# KiCad board 8851_HW-U1-VCU118_REV2-0_071417.kicad_pcb (continued)
## Routing (per net, layer and track width the routed paths; a pad name or vN(x,y) marks a point on that pad's centre or on a via; arc(x,y) is an arc through that point) (continued)
  03_SIG1 w0.15: v3(177.01,75.07) 177.06,75.02 177.06,69.19 175.15,67.27 173.48,67.27 172.85,67.9 171.7,67.9 170.43,69.16 170.43,71.24 v3(170.47,71.28)
  12_PWR3 w0.15: v3(136.38,30.43) 135.61,31.19 129.37,31.19 126.68,28.5 118.74,28.5 117.76,29.48 115.75,29.48 114.5,28.23 108.73,28.23 106.93,30.03 83.2,30.03 81.8,31.42 81.8,43.43 81.72,43.51 81.72,44.48 83.89,46.65 90.2,46.65 91.27,47.72 92.72,47.72 92.87,47.58 97.94,47.58 98.19,47.83 98.19,48.28 98.48,48.57 98.92,48.57 99.12,48.78 99.12,49.33 99.35,49.55 101.8,49.55 102.12,49.88 102.12,50.3 102.38,50.55 102.85,50.55 103.1,50.8 103.1,58.07 103.41,58.38 103.89,58.38 104.1,58.59 104.1,59.14 104.32,59.36 104.85,59.36 105.07,59.58 105.07,64.55 105.34,64.83
  12_PWR3 w0.375: 169.71,72.76 J108.1 ; J108.1 171.55,73.55 ; J108.1 170.5,72.5 ; J108.1 170.5,74.6 ; J108.1 169.71,74.34 ; J108.1 171.29,74.34 ; J108.1 169.45,73.55 ; J108.1 171.29,72.76
  18_SIG6 w0.375: v3(82.92,43.56) 81.71,42.34 81.43,42.34 v1(80.67,41.58)
  BOTTOM w0.188: v2(134.09,83.51) 134.36,83.51 134.85,84 135.4,84 135.57,84.17 135.57,84.74 135.81,84.98 141.78,84.98 144.6,82.16 v3(148.25,82.16)
  BOTTOM w0.375: v3(104.51,32.94) 104.56,32.94 104.96,32.54 104.96,31.44 105.48,30.93 106.06,31.51 v3(106.06,32.24) ; v3(124.83,100.15) 124.7,100.15 124.69,100.16 123.76,100.16 123.42,100.5 123.42,101.51 124.1,102.19 124.14,102.19 124.89,101.44 v3(124.89,100.86) ; v3(170.75,76.55) 170.75,78.16 C1749.1 172,77.94 v3(172,76.55) ; R175.2 149.99,81.54 149.65,81.2 143.27,81.2 140.96,83.51 v2(139.01,83.51) ; v3(165.62,83.05) 166.61,83.05 167,83.44 166.39,84.05 v3(165.62,84.05) ; v3(124.85,29.35) 124.81,29.31 124.81,29.18 125.77,28.22 C1752.1 ; v3(133.43,32.3) 133.88,31.85 133.88,31.54 ; 141.38,31.67 v3(141.38,32.3) ; 166,113.57 v3(164.64,113.57) ; 95.33,99.42 95.33,99.98 v3(95.47,100.12) ; 92.83,98.43 92.83,97.77 v3(92.92,97.67) ; 120.75,98.43 v3(120.75,97.68) ; v3(84,83.55) 93.69,83.55 v2(93.74,83.51) ; v3(119.22,97.68) 119.22,98.43 ; 140.12,31.67 v3(140.12,32.3) ; 166,107.82 v3(164.64,107.82)
  vias: v3(169.5,76.55) v3(169.5,75.3) v3(170.75,75.3) v3(172,75.3) v3(173.25,76.55) v3(173.25,75.3) v3(174.5,76.55) v3(174.5,75.3) v3(175.75,76.55) v3(175.75,75.3)
MGTAVTT_FPGA_SNS_N: length 42.5
  TOP w0.102: 138.37,31.68 138.87,31.18 139.06,31.18 139.18,31.29 139.18,33.61 144.51,38.95 147.14,38.95 147.72,38.38 151.43,38.38 154.48,41.42 163.75,41.42 164.01,41.69 167.69,41.69 168.31,42.3 170.37,42.3 170.64,42.57 170.64,42.81 v3(170.35,43.1) 170.65,43.39 170.65,43.72 171.26,44.33 171.7,44.33 171.83,44.46 172.39,44.46
MGTAVTT_FPGA_SNS_P: length 72.3
  TOP w0.102: 172.39,43.97 171.83,43.97 171.7,44.1 171.35,44.1 170.87,43.62 170.87,43.37 v3(171.14,43.1) 170.87,42.83 170.87,42.48 170.46,42.08 168.4,42.08 167.79,41.46 164.11,41.46 163.84,41.2 154.57,41.2 151.53,38.15 147.62,38.15 147.05,38.73 144.6,38.73 139.4,33.52 139.4,31.2 139.15,30.95 138.89,30.95 138.37,30.43 ; v3(170.52,66.65) 170.59,66.73 170.59,67.66
  03_SIG1 w0.133: v3(170.52,66.65) 168.77,64.9 168.77,64.2 166.57,62 166.57,49.8 168.55,47.83 168.55,43.72 169.82,42.45 170.49,42.45 v3(171.14,43.1)
MGTAVTT_FPGA_VIN: length 2.7
  TOP w0.15: 169.61,67.66 169.61,69.16 C155.1 169.9,69.46 169.9,69.94 169.72,70.12
MGTAVTT_ISENSE2: length 23.8
  TOP w0.15: 181.85,61.49 181.32,61.49 180.97,61.14 180.97,60.94 180.9,60.87 180.9,60.4 180.56,60.06 v3(180.16,60.06)
  03_SIG1 w0.17: v3(173.98,51.76) 173.98,55.47 173.09,56.36 173.09,56.57 173.09,57.16 173.51,57.58 173.51,57.59 173.53,57.61 176.27,57.61 178.72,60.06 v3(180.16,60.06)
  BOTTOM w0.15: 176.49,48.82 176.49,48.43 176.11,48.05 175.07,48.05 173.26,49.86 R1226.2 173.26,51.56 173.46,51.76 v3(173.98,51.76)
MGTAVTT_PGOOD: length 319
  TOP w0.25: 174.75,48.79 v3(174.75,51.22)
  TOP w0.375: v3(133.81,107.02) 134.43,107.02 134.56,107.14 134.56,107.14 134.81,107.39 134.9,107.48 134.9,108.23
  03_SIG1 w0.375: v3(202.09,149.05) 200.7,150.44 200.7,151.1 198.18,153.62 198.18,156.12 196.4,157.89 196.4,167.23 195.94,167.68 v3(195.5,167.68)
  05_SIG2 w0.375: v3(133.81,107.02) 136.64,107.02 141.38,111.75 142.34,111.75 142.94,112.35 144.84,112.35 148.98,116.5 148.98,119.16 150.07,120.25 154.18,120.25 155.35,121.42 157.43,121.42 160.36,124.36 v3(169.12,124.36)
  14_SIG4 w0.375: v3(138.68,23.75) 139.14,23.75 139.52,23.38 139.52,21.86 141.22,20.15 154.82,20.15 157.51,22.85 164.49,22.85 164.58,22.94 166.29,22.94 168.18,24.82 170.21,24.82 177.49,32.1 177.49,39.24 176.57,40.16 174.77,40.16 173.85,41.09 171.36,41.09 169.69,42.75 169.69,49.99 172.16,52.46 174.15,52.46 174.75,51.86 v3(174.75,51.22) 175.16,51.22 175.75,51.81 175.75,66.9 182.46,73.61 182.46,75.72 175.55,82.63 175.55,98.95 172.65,101.85 170.51,101.85 170.33,102.03 167.74,102.03 167.32,102.45 167.32,103.97 162.87,108.43 162.43,108.87 153.09,108.87 151.51,107.3 145.69,107.3 145.66,107.28 144.55,106.16 143.62,106.16 142.4,107.38 142.4,109.22 140.75,110.88 137.25,110.88 136.35,109.98 134.65,109.98 133.81,109.13 v3(133.81,107.02) ; v3(202.09,149.05) 200.03,149.05 195.5,153.58 187,153.58 185.38,151.96 180.94,151.96 173.95,144.97 173.95,130.53 169.12,125.7 v3(169.12,124.36)
  BOTTOM w0.25: 200.74,149.01 200,149.01 199.51,149.5 199.51,149.92 199.08,150.35 199.08,150.84 198.89,151.03 198.15,151.03
  BOTTOM w0.375: 138.32,25.25 138.32,24.5 138.41,24.41 138.41,24.34 138.68,24.07 v3(138.68,23.75) ; 195.5,168.86 v3(195.5,167.68) ; v3(202.09,149.05) 201.86,149.05 201.82,149.01 200.74,149.01
MGTAVTT_PWM2: length 22
  TOP w0.15: v3(182.43,64.21) 182.6,64.03 182.6,62.7 182.37,62.47 181.85,62.47 ; 178.1,47.42 v3(179.3,47.42)
  03_SIG1 w0.17: v3(182.43,64.21) 182.43,63.33 182,62.9 182,57.55 180.31,55.87 180.31,50.31 179,49 179,47.71 v3(179.3,47.42)
MGTAVTT_SLAVE_1V8: length 34.5
  TOP w0.3: 181.85,63.46 181.85,63.46 181.85,64.1 181.78,64.17 v2(181.78,64.68)
  TOP w0.375: v3(169.3,58.88) 169.3,57.51 169.78,57.51 170.6,58.33 C1669.1 R1231.1 C1670.1 171.91,55.46 L97.1 ; v2(181.78,64.68) 181.67,64.8 181.67,65.71 ; v3(178.55,66.04) 178.76,65.83 178.76,65.1 179.35,65.1 179.73,65.48 v3(179.73,65.92) 180.47,65.92 C1680.1
  05_SIG2 w0.375: v2(181.78,64.68) 177.25,64.68 176.25,63.68 176.25,60.55 174.81,59.11 173.1,59.11 172.87,58.88 v3(169.3,58.88)
  BOTTOM w0.15: 180.3,64.76 181.71,64.76 v2(181.78,64.68)
  BOTTOM w0.375: v3(178.55,66.04) 178.76,65.83 178.76,65.1
MGTAVTT_TS_FAULTB: length 13
  TOP w0.15: 177.21,48.79 177.24,48.82 v3(178.37,48.82)
  03_SIG1 w0.17: v3(178.37,48.82) 178.37,49.29 178.7,49.63 178.7,51.5 178.21,51.99 178.21,55.5 178.51,55.8 v3(178.51,58.43)
  BOTTOM w0.15: 177.49,48.82 v3(178.37,48.82) ; R1278.1 v3(178.51,58.43)
MGTAVTT_VDD_MASTER: length 26.9
  TOP w0.25: v3(177.01,41.71) 177.01,41.99 176.72,42.28 176.72,43.08
  TOP w0.375: R1231.2 v3(173.62,56.95) 173.62,55.85 C1670.2
  03_SIG1 w0.375: v3(177.01,41.71) 177.01,42.52 175.53,44 175.53,44.85 176.05,45.38 176.05,46.5 175.65,46.9 175.65,47.6 178.05,50 178.05,51.22 176.43,52.85 176.43,54.15 v3(173.62,56.95)
  BOTTOM w0.25: 177.88,42.47 177.76,42.47 v3(177.01,41.71)
  BOTTOM w0.375: 177.88,42.47 178.47,42.47 179.13,41.8 180.34,41.8 180.38,41.84
MGTAVTT_VIN: length 2.8
  TOP w0.15: 170.1,67.66 170.1,68.28 170.59,68.76 C155.2 170.29,69.46 170.29,69.94 170.47,70.12
MGTAVTT_VIN_UV: length 4
  TOP w0.15: v3(179.13,45.96) 179.11,45.94 178.1,45.94
  BOTTOM w0.15: 180.11,46.15 179.32,46.15 v3(179.13,45.96) 179.11,45.94 178.25,45.94 178.25,46.96
MGTAVTT_VX2: length 1.9
  TOP w0.15: 183.08,63.91 183.08,64.89 182.81,65.17 C1703.1
MGTRREF_121: length 12
  TOP w0.15: v2(139.01,84.49) 138.52,84
  BOTTOM w0.15: v2(139.01,84.49) 141.3,84.49 144.12,81.66 148.72,81.66 R175.1
MGTRREF_126: length 20.4
  TOP w0.15: v2(103.58,82.52) 104.07,82.03
  BOTTOM w0.15: v2(103.58,82.52) 103.09,83.01 102.39,83.01 102.1,83.3 102.1,89.99 95.33,96.77 95.33,98.43
MGTRREF_226: length 15
  TOP w0.15: 136.55,43.64 v2(137.04,43.15)
  BOTTOM w0.15: v2(137.04,43.15) 136.54,42.65 136.54,41.41 134.73,39.6 134.73,30.78 134.5,30.56 133.88,30.56
MGTRREF_231: length 13.2
  TOP w0.15: 94.23,45.61 v2(93.74,45.12) 87.25,45.12 83.6,41.48 82.71,41.48
MGTVCCAUX_L: length 57.7
  TOP w0.375: 120.75,98.43 118.92,98.43 118.53,98.04 118.53,97.12 v3(119.22,96.43) ; 113.91,79.08 v2(113.42,79.57) ; v2(118.34,79.57) 117.85,79.08 ; 102.45,98.43 v3(102.45,97.73) ; R1290.1 133.39,99.77 v3(133.38,99.75) ; v3(110.07,97.8) 110.07,98.43 108.55,98.43 ; v2(120.31,80.55) 119.82,80.06
  05_SIG2 w0.087: v2(113.42,79.57) 113.91,79.08 113.91,78.31 114.13,78.09 115.77,78.09 116.75,77.11 121.59,77.11 121.79,77.3 121.79,77.8 122.09,78.09 127.39,78.09 127.69,78.4 127.69,78.71 128.06,79.08 128.34,79.08 128.68,79.42 128.68,79.84 128.9,80.06 129.33,80.06 129.66,80.4 129.66,81.83 129.86,82.03 130.42,82.03 130.61,82.22 130.61,84.79 130.84,85.01 133.28,85.01 133.6,85.33 133.6,87.96 132.65,88.91 132.65,96.95 132.85,97.15 132.85,99.22 v3(133.38,99.75)
  BOTTOM w0.375: 134.18,99.94 134.18,98.98 133.52,98.32 v3(132.29,98.32) ; v3(110.07,97.8) 110.07,98.43 ; 108.55,98.43 108.55,97.68
  vias: v3(132.29,97.55)
MGTVCCAUX_PGOOD: length 282
  TOP w0.375: v3(135.33,109.35) 135.54,109.14 135.54,108.23
  05_SIG2 w0.375: v3(135.33,109.35) 137.66,111.67 139.9,111.67 141.43,113.2 144.57,113.2 147.65,116.28 147.65,123.83 149.61,125.79 149.61,126.49 150.12,127 160.18,127 161.97,125.21 v3(168.35,125.21)
  14_SIG4 w0.375: v3(199.09,151.82) 198.32,151.82 195.81,154.33 190.36,154.33 186.69,154.33 185.07,152.71 180.63,152.71 173.18,145.26 173.18,130.83 168.35,126.01 v3(168.35,125.21) ; v3(137.97,26.8) 142.72,22.05 144.88,22.05 145.45,21.48 155.08,21.48 157.26,23.66 164.14,23.66 166.62,26.14 167.12,26.14 167.48,25.78 170.07,25.78 175.76,31.47 175.76,35.31 174.18,36.9 174.18,37.89 173.4,38.66 170.48,38.66 168.87,40.28 168.87,50.23 171.85,53.21 174.52,53.21 175,53.69 175,67.21 181.71,73.92 181.71,75.41 181.64,75.41 174.8,82.25 174.8,98.64 172.34,101.1 170.2,101.1 170.02,101.28 167.43,101.28 166.57,102.14 166.57,103.66 162.12,108.12 153.4,108.12 151.82,106.55 147.94,106.55 145.14,103.75 142.15,103.75 141.65,104.26 141.65,108.88 140.44,110.1 139.82,110.1 138.32,108.6 136.08,108.6 v3(135.33,109.35)
  BOTTOM w0.375: 198.15,151.82 v3(199.09,151.82) ; 198,168.86 v3(198,167.68) ; v3(137.97,26.8) 137.68,26.51 137.68,25.25
MGTVCCAUX_R: length 91
  TOP w0.375: v3(139.95,16.79) 139.12,17.61 139.12,18.05 138.71,18.47 137.78,18.47 ; 108.99,49.55 v2(108.5,49.06) ; v2(110.47,50.04) 110.96,50.53 ; 110.87,31.79 110.87,31.94 v3(111.32,32.39) ; 116.87,49.55 v2(117.36,49.06) ; 109.5,31.79 109.5,31.89 v3(110,32.39) ; 113.5,31.79 112.25,31.79 v3(112.25,32.44) ; 118.84,50.53 v2(119.33,50.04)
  18_SIG6 w0.087: v2(119.33,50.04) 119.82,50.53 121.5,50.53 121.79,50.25 121.79,43.91 122.05,43.64 126.43,43.64 126.71,43.37 126.71,40.42 128.53,38.6 128.53,29.45 128.07,29 128.07,27.98 123.15,23.05 122.73,23.05 119.5,19.82 115.92,19.82 115.25,19.15 115.25,17.49 115.86,16.89 117.78,16.89 118.56,16.11 119.88,16.11 120.96,17.19 124.21,17.19 124.5,16.9 127.18,16.9 127.96,17.68 131.44,17.68 134.03,20.27 138.68,20.27 139.35,19.61 139.35,17.39 v3(139.95,16.79)
  BOTTOM w0.25: 139.27,16.79 v3(139.95,16.79)
  BOTTOM w0.375: 110.88,31.79 111.32,32.24 v3(111.32,32.39) ; 109.5,31.79 109.5,31.89 v3(110,32.39) ; v3(112.25,32.44) 112.25,31.79 112.25,31.79
  vias: v3(140.22,15.75) v3(140.22,14.95)
PCIE_CLK1_C_N: length 2.4
  BOTTOM w0.102: 60.58,41.99 61.21,41.99 61.73,42.51 62.08,42.51 C102.1
PCIE_CLK1_C_P: length 3.9
  BOTTOM w0.102: 60.58,43.24 61.23,43.24 61.74,42.73 62.08,42.73 C67.1
  BOTTOM w0.375: U20.1 54.44,43.24 v3(54.28,43.41)
PCIE_CLK1_N: length 115.5
  TOP w0.102: v2(124.25,49.06) 123.76,49.55
  20_SIG7 w0.075: v2(124.25,49.06) 124.25,49.38 124.32,49.45 124.55,49.45 124.62,49.38 124.62,40.64 124.58,40.6 124.58,40.58
  20_SIG7 w0.087: 124.58,40.58 124.58,39.96 122.45,37.83 111.4,37.83 107.03,33.45 107.03,28.52 105.68,27.17 94.64,27.17 90.64,23.17 89.03,23.17 86.76,20.89 72.62,20.89 70.99,19.26 62.2,19.26 61.16,20.3 61.16,22.25 66.34,27.43 66.34,28.75 63.35,31.74 63.35,39.02 63.48,39.15 63.79,39.15 63.92,39.28 63.92,39.55 63.79,39.68 63.48,39.68 63.35,39.81 63.35,40.08 63.48,40.21 63.79,40.21 63.92,40.34 63.92,40.61 63.79,40.74 63.48,40.74 63.35,40.87 63.35,41.4 63.73,41.78 64.22,41.78 v3(64.55,41.45)
  BOTTOM w0.102: v3(64.55,41.45) 64.05,41.95 64.05,42.15 63.89,42.31 63.71,42.31 63.57,42.17 C102.2
PCIE_CLK1_P: length 115.5
  TOP w0.102: v2(124.25,50.04) 123.76,50.53
  20_SIG7 w0.075: v2(124.25,50.04) 124.25,49.72 124.32,49.65 124.63,49.65 124.82,49.46 124.82,40.64 124.86,40.6 124.86,40.58
  20_SIG7 w0.087: 124.86,40.58 124.86,39.85 122.57,37.55 111.52,37.55 107.3,33.34 107.3,28.41 105.79,26.9 94.75,26.9 90.75,22.89 89.15,22.89 86.87,20.62 72.73,20.62 71.1,18.98 62.09,18.98 60.89,20.18 60.89,22.36 66.07,27.54 66.07,28.63 63.08,31.62 63.08,41.51 63.61,42.05 64.4,42.05 v3(64.53,42.17)
  BOTTOM w0.102: C67.2 63.57,42.61 63.65,42.54 63.98,42.54 64.34,42.17 v3(64.53,42.17)
PCIE_CLK2_C_N: length 3.9
  BOTTOM w0.102: 60.58,39.49 61.27,39.49 61.78,40.01 62.08,40.01 C119.1
  BOTTOM w0.375: U20.4 v3(57.2,39.49)
PCIE_CLK2_C_P: length 2.4
  BOTTOM w0.102: 60.58,40.74 61.27,40.74 61.78,40.23 62.08,40.23 C118.1
PCIE_CLK2_N: length 133.3
  TOP w0.102: v2(115.39,49.06) 115.88,49.55
  18_SIG6 w0.087: v2(115.39,49.06) 115.75,49.41 115.93,49.41 116.3,49.05 116.3,40.53 117.85,38.98 123.62,38.98 125.95,36.65 125.95,32.56 124.31,30.92 123.33,30.92 122.28,29.86 122.28,26.3 117.65,21.67 105.52,21.67 101.29,25.9 81.99,25.9 79.67,23.58 76.04,23.58 74.81,22.35 65.96,22.35 65.28,23.03 65.28,23.68 64.51,24.45 62.84,24.45 61.24,22.85 61.24,21.24 61.49,20.99 61.76,20.99 v3(62.05,20.7)
  20_SIG7 w0.087: v3(62.05,20.7) 62.97,21.62 66.79,21.62 67.92,22.75 67.92,28.66 64.72,31.86 64.72,39.7 64.92,39.9 65.5,39.9 v3(65.62,39.78)
  BOTTOM w0.102: C119.2 63.57,39.5 64.1,40.03 65.38,40.03 v3(65.62,39.78)
PCIE_CLK2_P: length 133.2
  TOP w0.102: v2(115.39,50.04) 115.88,50.53
  18_SIG6 w0.087: v3(62.05,21.55) 61.76,21.26 61.6,21.26 61.51,21.35 61.51,22.74 62.95,24.18 64.4,24.18 65.01,23.57 65.01,22.92 65.85,22.08 74.93,22.08 76.16,23.3 79.78,23.3 82.1,25.62 101.18,25.62 105.41,21.4 117.76,21.4 122.55,26.19 122.55,29.75 123.45,30.64 124.42,30.64 126.22,32.45 126.22,36.76 123.74,39.25 117.96,39.25 116.58,40.64 116.58,49.16 116.05,49.69 115.75,49.69 v2(115.39,50.04)
  20_SIG7 w0.087: v3(62.05,21.55) 62.2,21.4 62.36,21.4 62.86,21.9 66.68,21.9 67.65,22.87 67.65,28.55 64.45,31.74 64.45,39.81 64.81,40.17 65.3,40.17 v3(65.62,40.5)
  BOTTOM w0.102: C118.2 63.6,40.74 64.1,40.25 65.38,40.25 v3(65.62,40.5)
PCIE_CLK_Q0_N: length 51.4
  07_SIG3 w0.133: v3(60.2,14) 60.19,14 59.81,14.38 59.81,19.47 61.35,21.01 61.35,24.55 64.8,28 64.8,37.34 59.21,42.93 56.75,42.93 56.21,42.39 56.21,41.6 56.56,41.24 56.99,41.24 57.15,41.09 v3(57.15,40.74)
  10_GND w0.113: v3(60.2,14) 59.81,13.62 59.81,12.8 59.48,12.47 59.48,6.04 59.69,5.83 U2.A14
  BOTTOM w0.102: 55.73,40.74 v3(57.15,40.74)
PCIE_CLK_Q0_P: length 51.3
  07_SIG3 w0.133: v3(59.21,14) 59.54,14.33 59.54,19.58 61.08,21.12 61.08,24.66 64.53,28.11 64.53,37.22 59.09,42.66 58.55,42.66 58.42,42.53 58.42,42.01 58.29,41.88 58.02,41.88 57.89,42.01 57.89,42.53 57.76,42.66 56.87,42.66 56.49,42.28 56.49,41.71 56.68,41.52 56.97,41.52 57.15,41.69 v3(57.15,41.99)
  10_GND w0.113: U2.A13 58.71,5.51 59.27,6.07 59.27,12.55 59.6,12.88 59.6,13.62 v3(59.21,14)
  BOTTOM w0.102: 55.73,41.99 v3(57.15,41.99)
PCIE_PERST: length 66.8
  20_SIG7 w0.087: v3(54.12,18.12) 53.61,18.62 52.2,18.62 51.86,18.27 46.4,18.27 46.12,18 44.75,18 43.03,19.72 43.03,31.94 43.44,32.35 45.16,32.35 53.11,40.3 54.03,40.3 58.14,44.41 58.64,44.41 60.94,46.72 60.94,47.62 62.42,49.1 62.42,49.11 63.63,50.31 63.63,51.12 65.19,52.68 v3(65.81,52.68)
  BOTTOM w0.15: v3(54.12,18.12) 54.75,17.48 54.75,16.42 57.13,16.42 57.15,16.44 ; v3(65.81,52.68) 65.01,53.48 61.97,53.48 61.37,52.89 61.37,52.33
PCIE_PERST_LS: length 124.1
  TOP w0.15: v3(53.44,42.42) 55.78,42.42 56.9,41.3 62.62,41.3 66.08,37.84 82.68,37.84 85.38,40.54 121.64,40.54 v2(122.28,41.18) ; 124.74,58.41 v2(125.23,57.92)
  07_SIG3 w0.17: v3(53.44,42.42) 55.23,42.42 57.03,44.23 59.23,44.23 66.43,51.43 66.43,55.74 66.3,55.88 66.3,59.02 65.85,59.47 65.85,60.62 v3(65.28,61.2)
  14_SIG4 w0.087: v2(125.23,57.92) 124.84,57.52 124.84,49.44 124.72,49.32 124.72,46.89 124.43,46.59 124.01,46.59 123.86,46.45 123.86,45.47 123.76,45.36 123.76,43.8 123.6,43.64 123.06,43.64 122.77,43.34 122.77,41.67 v2(122.28,41.18)
  BOTTOM w0.15: v3(65.28,61.2) 63.55,61.2 61.37,59.02 61.37,58.08
PCIE_PERST_R: length 14.1
  03_SIG1 w0.17: v3(53.85,7.08) 53.5,7.43 53.5,10.93 v3(57.15,14.58)
  10_GND w0.087: U2.A11 54.77,6.23 53.92,7.08 v3(53.85,7.08)
  BOTTOM w0.15: 57.15,15.45 v3(57.15,14.58)
PCIE_PRSNT_B: length 46.6
  03_SIG1 w0.17: v3(44.67,13.45) 45.41,14.2 52.67,14.2 58.36,19.89 58.36,23.89 60.52,26.05 J7.2 J7.4 J7.6 J7.8
  10_GND w0.087: v3(44.67,13.45) 45.04,13.08 45.04,4.03 U2.A1
PCIE_PRSNT_X1: length 21.4
  TOP w0.15: J7.1 65.72,22.77 65.72,13.23 62.4,9.9 62.4,6.1 62.65,5.85 U2.B17
PCIE_PRSNT_X4: length 23.8
  TOP w0.15: v3(76.62,13.68) 76.62,5.99 76.43,5.8 U2.B31
  BOTTOM w0.15: J7.3 73.02,19.53 73.02,15.58 74.2,14.4 75.89,14.4 v3(76.62,13.68)
PCIE_PRSNT_X8: length 42.9
  TOP w0.15: U2.B48 93.16,5.69 92.75,6.1 92.75,12.23 95.53,15 95.53,17.29 v3(96.1,17.86)
  BOTTOM w0.15: v3(96.1,17.86) 91.55,17.86 89.81,19.61 78.83,19.61 77.57,20.86 74.19,20.86 J7.5
PCIE_PRSNT_X16: length 65.8
  TOP w0.15: U2.B81 125.64,5.79 124.97,6.45 124.97,9.83 121.85,12.95 113.12,12.95 111.28,14.8 111.28,16.98 111.58,17.27 111.58,18.25 111.15,18.68 v3(110.38,18.68)
  BOTTOM w0.15: J7.7 76.61,23.55 79.92,20.25 108.8,20.25 v3(110.38,18.68)
PCIE_RX0_N: length 85.6
  TOP w0.145: v2(113.42,44.14) 113.91,44.63 ; U2.B15 60.68,5.44 arc(60.63,5.66) 60.51,5.85 60.49,5.87 arc(61.44,6.51) 60.32,6.29 60.32,9.35 arc(60.4,9.54) 60.59,9.62 60.74,9.62 arc(60.8,9.61) 60.85,9.58 v3(61.17,9.26)
  05_SIG2 w0.18: v3(61.17,9.26) 61.46,9.55 arc(61.52,9.59) 61.59,9.6 62.1,9.6 arc(62.82,9.75) 63.44,10.16 63.64,10.35 arc(63.77,10.41) 63.91,10.35 arc(64.05,10.3) 64.18,10.35 64.42,10.59 arc(64.47,10.73) 64.42,10.86 arc(64.75,11) 64.42,11.14 64.65,11.37 arc(64.79,11.43) 64.93,11.37 arc(65.07,11.31) 65.21,11.37 65.44,11.6 arc(65.49,11.74) 65.44,11.88 arc(65.77,12.02) 65.44,12.15 67.17,13.88 arc(68.21,14.58) 69.45,14.83 78.79,14.83 arc(81.12,15.29) 83.08,16.61 arc(83.62,16.96) 84.25,17.09 84.54,17.09 arc(85.82,17.34) 86.9,18.06 88.44,19.6 arc(88.73,19.8) 89.08,19.87 89.58,19.87 arc(89.9,19.93) 90.18,20.12 92.62,22.56 arc(93.37,23.06) 94.24,23.23 94.47,23.23 arc(94.77,23.29) 95.02,23.46 98.68,27.12 arc(99.46,27.64) 100.37,27.82 103.37,27.82 arc(103.78,27.9) 104.13,28.14 105.25,29.26 arc(105.44,29.38) 105.65,29.42 106.29,29.42 arc(106.81,29.53) 107.26,29.82 107.86,30.43 arc(108.07,30.75) 108.15,31.12 arc(109.19,30.91) 108.31,31.5 108.78,31.97 arc(108.91,32.11) 109.03,32.25 arc(109.27,32.53) 109.48,32.83 arc(109.48,32.83) 109.48,32.83 arc(109.92,33.4) 110.41,33.93 110.41,33.94 111.57,35.1 arc(113.07,37.34) 113.59,39.98 113.59,41.35 arc(113.64,41.6) 113.79,41.82
  05_SIG2 w0.234: 113.79,41.82 113.84,41.87 arc(113.9,41.95) 113.91,42.05 113.91,43.66 arc(113.77,44) 113.43,44.14 v2(113.42,44.14)
PCIE_RX0_P: length 84.8
  TOP w0.145: v2(113.42,45.12) 113.91,45.61 ; v3(61.17,10.24) 60.86,9.93 arc(60.81,9.9) 60.74,9.88 60.59,9.88 arc(60.21,9.73) 60.06,9.35 60.06,6.29 arc(60.01,6.06) 59.89,5.87 59.87,5.85 arc(59.74,5.66) 59.69,5.44 U2.B14
  05_SIG2 w0.18: v3(61.17,10.24) 61.46,9.95 arc(61.52,9.91) 61.59,9.9 62.1,9.9 arc(62.71,10.02) 63.23,10.37 66.95,14.1 arc(68.1,14.86) 69.45,15.13 78.79,15.13 arc(81,15.57) 82.87,16.82 arc(83.5,17.24) 84.25,17.39 84.54,17.39 arc(85.7,17.62) 86.69,18.28 88.22,19.81 arc(88.62,20.08) 89.08,20.17 89.58,20.17 arc(89.79,20.21) 89.96,20.33 92.41,22.77 arc(93.25,23.34) 94.24,23.53 94.47,23.53 arc(94.66,23.57) 94.81,23.67 95.22,24.08 98.47,27.33 arc(99.34,27.92) 100.37,28.12 103.37,28.12 arc(103.67,28.18) 103.92,28.35 105.04,29.47 arc(105.32,29.66) 105.65,29.72 106.29,29.72 arc(106.7,29.8) 107.04,30.04 107.65,30.64 arc(107.8,30.86) 107.85,31.12 arc(109.46,30.8) 108.09,31.71 108.57,32.19 arc(108.69,32.31) 108.81,32.44 arc(109.03,32.71) 109.24,33 109.24,33 arc(109.69,33.59) 110.19,34.14 111.36,35.31 arc(112.79,37.45) 113.29,39.98 113.29,41.5 arc(113.28,41.59) 113.23,41.66
  05_SIG2 w0.234: v2(113.42,45.12) 113.12,44.81 arc(112.98,44.61) 112.93,44.37 112.93,42.11 arc(113.67,42.26) 113.04,41.84 113.23,41.66
PCIE_RX1_N: length 82.5
  TOP w0.145: v2(114.41,42.17) 114.9,42.66 ; U2.B20 65.6,5.44 arc(65.56,5.66) 65.43,5.85 65.41,5.87 arc(66.36,6.51) 65.24,6.29 65.24,9.35 arc(65.32,9.54) 65.51,9.62 65.66,9.62 arc(65.72,9.61) 65.77,9.58 v3(66.09,9.26)
  03_SIG1 w0.18: v3(66.09,9.26) 66.38,9.55 arc(66.44,9.59) 66.51,9.6 66.69,9.6 arc(67.1,9.77) 67.27,10.18 67.27,10.94 arc(67.37,11.2) 67.63,11.3 67.72,11.3 arc(68.08,11.66) 67.72,12.02 67.63,12.02 arc(67.88,12.64) 67.27,12.38 67.27,13.57 arc(67.21,13.85) 67.05,14.08 66.11,15.03 arc(66,15.2) 65.96,15.41 65.96,16.05 65.96,21.05 arc(66.22,21.68) 66.85,21.94 74.31,21.94 arc(74.81,22.04) 75.23,22.32 77.97,25.06 arc(79.45,26.05) 81.19,26.4 81.65,26.4 arc(82.63,26.59) 83.46,27.15 84.2,27.88 arc(84.46,28.06) 84.77,28.12 87.93,28.12 arc(89.34,28.4) 90.54,29.2 91.19,29.86 arc(93.06,31.1) 95.26,31.54 102.41,31.54 arc(104.43,31.95) 106.15,33.09 113.83,40.77 arc(113.93,40.88) 114.01,41 arc(114.04,41.05) 114.07,41.09 arc(114.09,41.14) 114.11,41.18 arc(114.12,41.2) 114.12,41.21 arc(114.2,41.46) 114.22,41.73 114.22,41.84 arc(114.25,41.98) 114.33,42.09
  03_SIG1 w0.234: 114.33,42.09 v2(114.41,42.17)
PCIE_RX1_P: length 82.5
  TOP w0.145: v2(114.41,43.15) 114.9,43.64 ; v3(66.09,10.24) 65.78,9.93 arc(65.73,9.9) 65.66,9.88 65.51,9.88 arc(65.14,9.73) 64.98,9.35 64.98,6.29 arc(64.93,6.06) 64.81,5.87 64.79,5.85 arc(64.66,5.66) 64.62,5.44 U2.B19
  03_SIG1 w0.18: v3(66.09,10.24) 66.38,9.95 arc(66.44,9.91) 66.51,9.9 66.69,9.9 arc(66.89,9.98) 66.97,10.18 66.97,13.57 arc(66.94,13.73) 66.84,13.87 65.9,14.81 arc(67.27,15.73) 65.66,15.41 65.66,21.05 arc(66,21.89) 66.85,22.24 74.31,22.24 arc(74.69,22.31) 75.01,22.53 77.76,25.27 arc(79.33,26.33) 81.19,26.7 81.65,26.7 arc(82.51,26.87) 83.25,27.36 83.99,28.1 arc(84.35,28.34) 84.77,28.42 87.93,28.42 arc(89.23,28.68) 90.33,29.41 90.98,30.07 arc(92.94,31.38) 95.26,31.84 102.41,31.84 arc(104.32,32.22) 105.94,33.31 113.61,40.98 arc(113.69,41.07) 113.76,41.16 arc(113.78,41.2) 113.8,41.23 arc(113.82,41.27) 113.84,41.3 arc(113.84,41.31) 113.84,41.32 arc(113.9,41.52) 113.92,41.73 113.92,42
  03_SIG1 w0.234: 113.92,42 113.92,42.29 arc(114,42.64) 114.2,42.94 v2(114.41,43.15)
